# Altium PCB MainboardV2.PcbDoc (part 1 of 2) (continued)
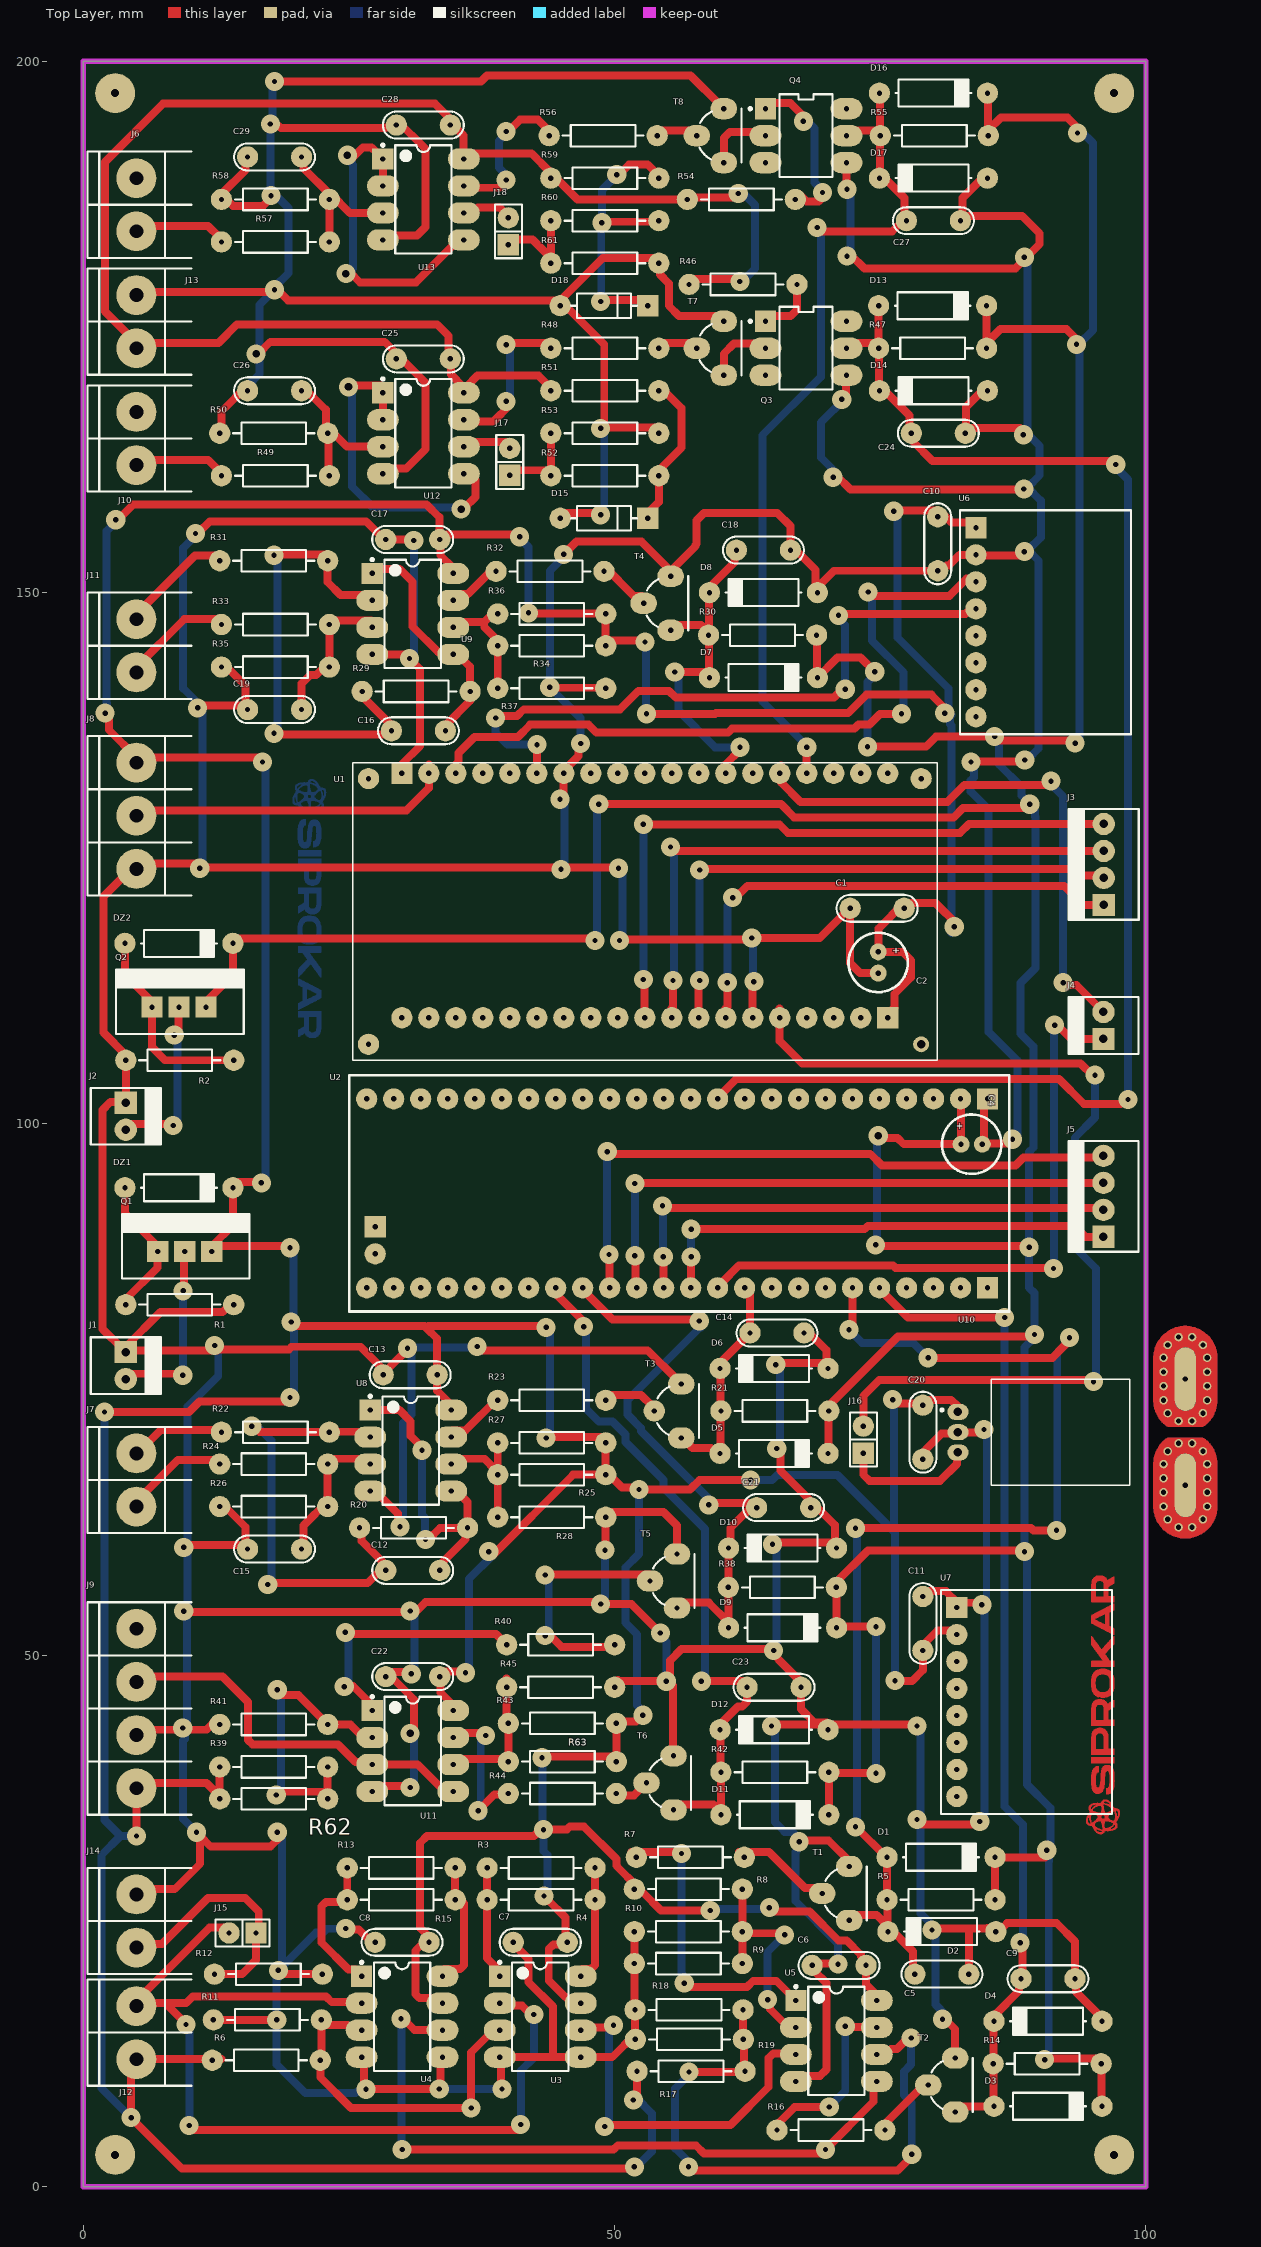
[diagram p0: Top Layer view]
## Footprints (in the part's own frame and the unit in brackets; to place one, negate y for a bottom-side part, rotate by r counter-clockwise, add the part's x,y. Pads: shape width x height; smd on the part's side, far side on the other; paste and mask are expansions set on the pad) (continued)
UPDUINO [mm]
  rect 2x2 hole 0.5 mask+0.051: 1(0,0) 48(17.78,0) 49(12.04,-57.62)
  round 2 hole 0.5 mask+0.051: 2(0,-2.54) 3(0,-5.08) 4(0,-7.62) 5(0,-10.16) 6(0,-12.7) 7(0,-15.24) 8(0,-17.78) 9(0,-20.32) 10(0,-22.86) 11(0,-25.4) 12(0,-27.94) 13(0,-30.48) 14(0,-33.02) 15(0,-35.56) 16(0,-38.1) 17(0,-40.64) 18(0,-43.18) 19(0,-45.72) 20(0,-48.26) 21(0,-50.8) 22(0,-53.34) 23(0,-55.88) 24(0,-58.42) 25(17.78,-58.42) 26(17.78,-55.88) 27(17.78,-53.34) 28(17.78,-50.8) 29(17.78,-48.26) 30(17.78,-45.72) 31(17.78,-43.18) 32(17.78,-40.64) 33(17.78,-38.1) 34(17.78,-35.56) 35(17.78,-33.02) 36(17.78,-30.48) 37(17.78,-27.94) 38(17.78,-25.4) 39(17.78,-22.86) 40(17.78,-20.32) 41(17.78,-17.78) 42(17.78,-15.24) 43(17.78,-12.7) 44(17.78,-10.16) 45(17.78,-7.62) 46(17.78,-5.08) 47(17.78,-2.54) 50(14.58,-57.62)
  round 2 on Mech13 mask+0.051: Un1(3.8,-6.82) Un1(3.8,-53.82) Un1(14,-6.82) Un1(14,-53.82)
  silkscreen extent -2.22,-60.07 20,2.03, body extent -2.29,-60.07 20.07,3.42, height 2.93
XDCR_ACS772LCB-100U-PFF-T [mm]
  oval 1.5x2 hole 0.8: 1(-1.91,-10.7) 2(0,-10.7) 3(1.91,-10.7)
  oval 6x2 hole 0.5 mask+0: 4(5,10.7) 5(-5,10.7)
  round 0.8 hole 0.5: 4_1(3,8.65) 4_2(4.33,8.65) 4_3(5.66,8.65) 4_4(6.99,8.65) 4_5(8.205,9.042) 4_6(8.95,10.067) 4_7(8.95,11.333) 4_8(8.205,12.358) 4_9(6.99,12.75) 4_10(5.66,12.75) 4_11(4.33,12.75) 4_12(3,12.75) 4_13(1.795,12.358) 4_14(1.05,11.333) 4_15(1.05,10.067) 4_16(1.795,9.042) 5_1(-7,8.65) 5_2(-5.67,8.65) 5_3(-4.34,8.65) 5_4(-3.01,8.65) 5_5(-8.205,9.042) 5_6(-8.95,11.333) 5_7(-8.95,10.067) 5_8(-8.205,12.358) 5_9(-7,12.75) 5_10(-5.67,12.75) 5_11(-4.34,12.75) 5_12(-3.01,12.75) 5_13(-1.795,12.358) 5_14(-1.05,11.333) 5_15(-1.05,10.067) 5_16(-1.795,9.042)
  Top Layer region: -5,11.7 -7,11.7 -7.052,11.699 -7.105,11.695 -7.156,11.688 -7.208,11.678 -7.259,11.666 -7.309,11.651 -7.358,11.634 -7.407,11.614 -7.454,11.591 -7.5,11.566 -7.545,11.539 -7.588,11.509 -7.629,11.477 -7.669,11.443 -7.707,11.407 -7.743,11.369 -7.777,11.329 -7.809,11.288 -7.839,11.245 -7.866,11.2 -7.891,11.154 -7.914,11.107 -7.934,11.058 -7.951,11.009 -7.966,10.959 -7.978,10.908 -7.988,10.856 -7.995,10.805 -7.999,10.752 -8,10.7 -7.999,10.648 -7.995,10.595 -7.988,10.544 -7.978,10.492 -7.966,10.441 -7.951,10.391 -7.934,10.342 -7.914,10.293 -7.891,10.246 -7.866,10.2 -7.839,10.155 -7.809,10.112 -7.777,10.071 -7.743,10.031 -7.707,9.993 -7.669,9.957 -7.629,9.923 -7.588,9.891 -7.545,9.861 -7.5,9.834 -7.454,9.809 -7.407,9.786 -7.358,9.766 -7.309,9.749 -7.259,9.734 -7.208,9.722 -7.156,9.712 -7.105,9.705 -7.052,9.701 -7,9.7 -5,9.7 -5,7.7 -7,7.7 -7.157,7.704 -7.314,7.716 -7.469,7.737 -7.624,7.766 -7.776,7.802 -7.927,7.847 -8.075,7.899 -8.22,7.959 -8.362,8.027 -8.5,8.102 -8.634,8.184 -8.763,8.273 -8.888,8.369 -9.007,8.471 -9.121,8.579 -9.229,8.693 -9.331,8.812 -9.427,8.937 -9.516,9.066 -9.598,9.2 -9.673,9.338 -9.741,9.48 -9.801,9.625 -9.853,9.773 -9.898,9.924 -9.934,10.076 -9.963,10.231 -9.984,10.386 -9.996,10.543 -10,10.7 -9.996,10.857 -9.984,11.014 -9.963,11.169 -9.934,11.324 -9.898,11.476 -9.853,11.627 -9.801,11.775 -9.741,11.92 -9.673,12.062 -9.598,12.2 -9.516,12.334 -9.427,12.463 -9.331,12.588 -9.229,12.707 -9.121,12.821 -9.007,12.929 -8.888,13.031 -8.763,13.127 -8.634,13.216 -8.5,13.298 -8.362,13.373 -8.22,13.441 -8.075,13.501 -7.927,13.553 -7.776,13.598 -7.624,13.634 -7.469,13.663 -7.314,13.684 -7.157,13.696 -7,13.7 -5,13.7
  Top Layer region: -2.911,13.7 -2.812,13.697 -2.714,13.69 -2.616,13.68 -2.518,13.667 -2.421,13.65 -2.324,13.631 -2.228,13.608 -2.133,13.581 -2.039,13.552 -1.945,13.519 -1.853,13.483 -1.763,13.445 -1.673,13.403 -1.585,13.358 -1.499,13.31 -1.414,13.259 -1.331,13.206 -1.25,13.15 -1.171,13.091 -1.094,13.029 -1.019,12.965 -0.946,12.898 -0.876,12.829 -0.808,12.758 -0.742,12.684 -0.679,12.608 -0.618,12.53 -0.56,12.45 -0.5,12.36 -0.5,9.04 -0.56,8.95 -0.618,8.87 -0.679,8.792 -0.742,8.716 -0.808,8.642 -0.876,8.571 -0.946,8.502 -1.019,8.435 -1.094,8.371 -1.171,8.309 -1.25,8.25 -1.331,8.194 -1.414,8.141 -1.499,8.09 -1.585,8.042 -1.673,7.997 -1.763,7.955 -1.853,7.917 -1.945,7.881 -2.039,7.848 -2.133,7.819 -2.228,7.792 -2.324,7.769 -2.421,7.75 -2.518,7.733 -2.616,7.72 -2.714,7.71 -2.812,7.703 -2.911,7.7 -3,7.7 -5,7.7 -5,9.7 -3,9.7 -2.948,9.701 -2.895,9.705 -2.844,9.712 -2.792,9.722 -2.741,9.734 -2.691,9.749 -2.642,9.766 -2.593,9.786 -2.546,9.809 -2.5,9.834 -2.455,9.861 -2.412,9.891 -2.371,9.923 -2.331,9.957 -2.293,9.993 -2.257,10.031 -2.223,10.071 -2.191,10.112 -2.161,10.155 -2.134,10.2 -2.109,10.246 -2.086,10.293 -2.066,10.342 -2.049,10.391 -2.034,10.441 -2.022,10.492 -2.012,10.544 -2.005,10.595 -2.001,10.648 -2,10.7 -2.001,10.752 -2.005,10.805 -2.012,10.856 -2.022,10.908 -2.034,10.959 -2.049,11.009 -2.066,11.058 -2.086,11.107 -2.109,11.154 -2.134,11.2 -2.161,11.245 -2.191,11.288 -2.223,11.329 -2.257,11.369 -2.293,11.407 -2.331,11.443 -2.371,11.477 -2.412,11.509 -2.455,11.539 -2.5,11.566 -2.546,11.591 -2.593,11.614 -2.642,11.634 -2.691,11.651 -2.741,11.666 -2.792,11.678 -2.844,11.688 -2.895,11.695 -2.948,11.699 -3,11.7 -5,11.7 -5,13.7 -3,13.7
  Top Layer region: 7.157,13.696 7.314,13.684 7.469,13.663 7.624,13.634 7.776,13.598 7.927,13.553 8.075,13.501 8.22,13.441 8.362,13.373 8.5,13.298 8.634,13.216 8.763,13.127 8.888,13.031 9.007,12.929 9.121,12.821 9.229,12.707 9.331,12.588 9.427,12.463 9.516,12.334 9.598,12.2 9.673,12.062 9.741,11.92 9.801,11.775 9.853,11.627 9.898,11.476 9.934,11.324 9.963,11.169 9.984,11.014 9.996,10.857 10,10.7 9.996,10.543 9.984,10.386 9.963,10.231 9.934,10.076 9.898,9.924 9.853,9.773 9.801,9.625 9.741,9.48 9.673,9.338 9.598,9.2 9.516,9.066 9.427,8.937 9.331,8.812 9.229,8.693 9.121,8.579 9.007,8.471 8.888,8.369 8.763,8.273 8.634,8.184 8.5,8.102 8.362,8.027 8.22,7.959 8.075,7.899 7.927,7.847 7.776,7.802 7.624,7.766 7.469,7.737 7.314,7.716 7.157,7.704 7,7.7 5,7.7 5,9.7 7,9.7 7.052,9.701 7.105,9.705 7.156,9.712 7.208,9.722 7.259,9.734 7.309,9.749 7.358,9.766 7.407,9.786 7.454,9.809 7.5,9.834 7.545,9.861 7.588,9.891 7.629,9.923 7.669,9.957 7.707,9.993 7.743,10.031 7.777,10.071 7.809,10.112 7.839,10.155 7.866,10.2 7.891,10.246 7.914,10.293 7.934,10.342 7.951,10.391 7.966,10.441 7.978,10.492 7.988,10.544 7.995,10.595 7.999,10.648 8,10.7 7.999,10.752 7.995,10.805 7.988,10.856 7.978,10.908 7.966,10.959 7.951,11.009 7.934,11.058 7.914,11.107 7.891,11.154 7.866,11.2 7.839,11.245 7.809,11.288 7.777,11.329 7.743,11.369 7.707,11.407 7.669,11.443 7.629,11.477 7.588,11.509 7.545,11.539 7.5,11.566 7.454,11.591 7.407,11.614 7.358,11.634 7.309,11.651 7.259,11.666 7.208,11.678 7.156,11.688 7.105,11.695 7.052,11.699 7,11.7 5,11.7 5,13.7 7,13.7
  Top Layer region: 5,11.7 3,11.7 2.948,11.699 2.895,11.695 2.844,11.688 2.792,11.678 2.741,11.666 2.691,11.651 2.642,11.634 2.593,11.614 2.546,11.591 2.5,11.566 2.455,11.539 2.412,11.509 2.371,11.477 2.331,11.443 2.293,11.407 2.257,11.369 2.223,11.329 2.191,11.288 2.161,11.245 2.134,11.2 2.109,11.154 2.086,11.107 2.066,11.058 2.049,11.009 2.034,10.959 2.022,10.908 2.012,10.856 2.005,10.805 2.001,10.752 2,10.7 2.001,10.648 2.005,10.595 2.012,10.544 2.022,10.492 2.034,10.441 2.049,10.391 2.066,10.342 2.086,10.293 2.109,10.246 2.134,10.2 2.161,10.155 2.191,10.112 2.223,10.071 2.257,10.031 2.293,9.993 2.331,9.957 2.371,9.923 2.412,9.891 2.455,9.861 2.5,9.834 2.546,9.809 2.593,9.786 2.642,9.766 2.691,9.749 2.741,9.734 2.792,9.722 2.844,9.712 2.895,9.705 2.948,9.701 3,9.7 5,9.7 5,7.7 3,7.7 2.911,7.7 2.812,7.703 2.714,7.71 2.616,7.72 2.518,7.733 2.421,7.75 2.324,7.769 2.228,7.792 2.133,7.819 2.039,7.848 1.945,7.881 1.853,7.917 1.763,7.955 1.673,7.997 1.585,8.042 1.499,8.09 1.414,8.141 1.331,8.194 1.25,8.25 1.171,8.309 1.094,8.371 1.019,8.435 0.946,8.502 0.876,8.571 0.808,8.642 0.742,8.716 0.679,8.792 0.618,8.87 0.56,8.95 0.5,9.04 0.5,12.36 0.56,12.45 0.618,12.53 0.679,12.608 0.742,12.684 0.808,12.758 0.876,12.829 0.946,12.898 1.019,12.965 1.094,13.029 1.171,13.091 1.25,13.15 1.331,13.206 1.414,13.259 1.499,13.31 1.585,13.358 1.673,13.403 1.763,13.445 1.853,13.483 1.945,13.519 2.039,13.552 2.133,13.581 2.228,13.608 2.324,13.631 2.421,13.65 2.518,13.667 2.616,13.68 2.714,13.69 2.812,13.697 2.911,13.7 3,13.7 5,13.7
  Bottom Layer region: -5,11.7 -7,11.7 -7.052,11.699 -7.105,11.695 -7.156,11.688 -7.208,11.678 -7.259,11.666 -7.309,11.651 -7.358,11.634 -7.407,11.614 -7.454,11.591 -7.5,11.566 -7.545,11.539 -7.588,11.509 -7.629,11.477 -7.669,11.443 -7.707,11.407 -7.743,11.369 -7.777,11.329 -7.809,11.288 -7.839,11.245 -7.866,11.2 -7.891,11.154 -7.914,11.107 -7.934,11.058 -7.951,11.009 -7.966,10.959 -7.978,10.908 -7.988,10.856 -7.995,10.805 -7.999,10.752 -8,10.7 -7.999,10.648 -7.995,10.595 -7.988,10.544 -7.978,10.492 -7.966,10.441 -7.951,10.391 -7.934,10.342 -7.914,10.293 -7.891,10.246 -7.866,10.2 -7.839,10.155 -7.809,10.112 -7.777,10.071 -7.743,10.031 -7.707,9.993 -7.669,9.957 -7.629,9.923 -7.588,9.891 -7.545,9.861 -7.5,9.834 -7.454,9.809 -7.407,9.786 -7.358,9.766 -7.309,9.749 -7.259,9.734 -7.208,9.722 -7.156,9.712 -7.105,9.705 -7.052,9.701 -7,9.7 -5,9.7 -5,7.7 -7,7.7 -7.157,7.704 -7.314,7.716 -7.469,7.737 -7.624,7.766 -7.776,7.802 -7.927,7.847 -8.075,7.899 -8.22,7.959 -8.362,8.027 -8.5,8.102 -8.634,8.184 -8.763,8.273 -8.888,8.369 -9.007,8.471 -9.121,8.579 -9.229,8.693 -9.331,8.812 -9.427,8.937 -9.516,9.066 -9.598,9.2 -9.673,9.338 -9.741,9.48 -9.801,9.625 -9.853,9.773 -9.898,9.924 -9.934,10.076 -9.963,10.231 -9.984,10.386 -9.996,10.543 -10,10.7 -9.996,10.857 -9.984,11.014 -9.963,11.169 -9.934,11.324 -9.898,11.476 -9.853,11.627 -9.801,11.775 -9.741,11.92 -9.673,12.062 -9.598,12.2 -9.516,12.334 -9.427,12.463 -9.331,12.588 -9.229,12.707 -9.121,12.821 -9.007,12.929 -8.888,13.031 -8.763,13.127 -8.634,13.216 -8.5,13.298 -8.362,13.373 -8.22,13.441 -8.075,13.501 -7.927,13.553 -7.776,13.598 -7.624,13.634 -7.469,13.663 -7.314,13.684 -7.157,13.696 -7,13.7 -5,13.7
  Bottom Layer region: -2.911,13.7 -2.812,13.697 -2.714,13.69 -2.616,13.68 -2.518,13.667 -2.421,13.65 -2.324,13.631 -2.228,13.608 -2.133,13.581 -2.039,13.552 -1.945,13.519 -1.853,13.483 -1.763,13.445 -1.673,13.403 -1.585,13.358 -1.499,13.31 -1.414,13.259 -1.331,13.206 -1.25,13.15 -1.171,13.091 -1.094,13.029 -1.019,12.965 -0.946,12.898 -0.876,12.829 -0.808,12.758 -0.742,12.684 -0.679,12.608 -0.618,12.53 -0.56,12.45 -0.5,12.36 -0.5,9.04 -0.56,8.95 -0.618,8.87 -0.679,8.792 -0.742,8.716 -0.808,8.642 -0.876,8.571 -0.946,8.502 -1.019,8.435 -1.094,8.371 -1.171,8.309 -1.25,8.25 -1.331,8.194 -1.414,8.141 -1.499,8.09 -1.585,8.042 -1.673,7.997 -1.763,7.955 -1.853,7.917 -1.945,7.881 -2.039,7.848 -2.133,7.819 -2.228,7.792 -2.324,7.769 -2.421,7.75 -2.518,7.733 -2.616,7.72 -2.714,7.71 -2.812,7.703 -2.911,7.7 -3,7.7 -5,7.7 -5,9.7 -3,9.7 -2.948,9.701 -2.895,9.705 -2.844,9.712 -2.792,9.722 -2.741,9.734 -2.691,9.749 -2.642,9.766 -2.593,9.786 -2.546,9.809 -2.5,9.834 -2.455,9.861 -2.412,9.891 -2.371,9.923 -2.331,9.957 -2.293,9.993 -2.257,10.031 -2.223,10.071 -2.191,10.112 -2.161,10.155 -2.134,10.2 -2.109,10.246 -2.086,10.293 -2.066,10.342 -2.049,10.391 -2.034,10.441 -2.022,10.492 -2.012,10.544 -2.005,10.595 -2.001,10.648 -2,10.7 -2.001,10.752 -2.005,10.805 -2.012,10.856 -2.022,10.908 -2.034,10.959 -2.049,11.009 -2.066,11.058 -2.086,11.107 -2.109,11.154 -2.134,11.2 -2.161,11.245 -2.191,11.288 -2.223,11.329 -2.257,11.369 -2.293,11.407 -2.331,11.443 -2.371,11.477 -2.412,11.509 -2.455,11.539 -2.5,11.566 -2.546,11.591 -2.593,11.614 -2.642,11.634 -2.691,11.651 -2.741,11.666 -2.792,11.678 -2.844,11.688 -2.895,11.695 -2.948,11.699 -3,11.7 -5,11.7 -5,13.7 -3,13.7
  Bottom Layer region: 7.157,13.696 7.314,13.684 7.469,13.663 7.624,13.634 7.776,13.598 7.927,13.553 8.075,13.501 8.22,13.441 8.362,13.373 8.5,13.298 8.634,13.216 8.763,13.127 8.888,13.031 9.007,12.929 9.121,12.821 9.229,12.707 9.331,12.588 9.427,12.463 9.516,12.334 9.598,12.2 9.673,12.062 9.741,11.92 9.801,11.775 9.853,11.627 9.898,11.476 9.934,11.324 9.963,11.169 9.984,11.014 9.996,10.857 10,10.7 9.996,10.543 9.984,10.386 9.963,10.231 9.934,10.076 9.898,9.924 9.853,9.773 9.801,9.625 9.741,9.48 9.673,9.338 9.598,9.2 9.516,9.066 9.427,8.937 9.331,8.812 9.229,8.693 9.121,8.579 9.007,8.471 8.888,8.369 8.763,8.273 8.634,8.184 8.5,8.102 8.362,8.027 8.22,7.959 8.075,7.899 7.927,7.847 7.776,7.802 7.624,7.766 7.469,7.737 7.314,7.716 7.157,7.704 7,7.7 5,7.7 5,9.7 7,9.7 7.052,9.701 7.105,9.705 7.156,9.712 7.208,9.722 7.259,9.734 7.309,9.749 7.358,9.766 7.407,9.786 7.454,9.809 7.5,9.834 7.545,9.861 7.588,9.891 7.629,9.923 7.669,9.957 7.707,9.993 7.743,10.031 7.777,10.071 7.809,10.112 7.839,10.155 7.866,10.2 7.891,10.246 7.914,10.293 7.934,10.342 7.951,10.391 7.966,10.441 7.978,10.492 7.988,10.544 7.995,10.595 7.999,10.648 8,10.7 7.999,10.752 7.995,10.805 7.988,10.856 7.978,10.908 7.966,10.959 7.951,11.009 7.934,11.058 7.914,11.107 7.891,11.154 7.866,11.2 7.839,11.245 7.809,11.288 7.777,11.329 7.743,11.369 7.707,11.407 7.669,11.443 7.629,11.477 7.588,11.509 7.545,11.539 7.5,11.566 7.454,11.591 7.407,11.614 7.358,11.634 7.309,11.651 7.259,11.666 7.208,11.678 7.156,11.688 7.105,11.695 7.052,11.699 7,11.7 5,11.7 5,13.7 7,13.7
  Bottom Layer region: 5,11.7 3,11.7 2.948,11.699 2.895,11.695 2.844,11.688 2.792,11.678 2.741,11.666 2.691,11.651 2.642,11.634 2.593,11.614 2.546,11.591 2.5,11.566 2.455,11.539 2.412,11.509 2.371,11.477 2.331,11.443 2.293,11.407 2.257,11.369 2.223,11.329 2.191,11.288 2.161,11.245 2.134,11.2 2.109,11.154 2.086,11.107 2.066,11.058 2.049,11.009 2.034,10.959 2.022,10.908 2.012,10.856 2.005,10.805 2.001,10.752 2,10.7 2.001,10.648 2.005,10.595 2.012,10.544 2.022,10.492 2.034,10.441 2.049,10.391 2.066,10.342 2.086,10.293 2.109,10.246 2.134,10.2 2.161,10.155 2.191,10.112 2.223,10.071 2.257,10.031 2.293,9.993 2.331,9.957 2.371,9.923 2.412,9.891 2.455,9.861 2.5,9.834 2.546,9.809 2.593,9.786 2.642,9.766 2.691,9.749 2.741,9.734 2.792,9.722 2.844,9.712 2.895,9.705 2.948,9.701 3,9.7 5,9.7 5,7.7 3,7.7 2.911,7.7 2.812,7.703 2.714,7.71 2.616,7.72 2.518,7.733 2.421,7.75 2.324,7.769 2.228,7.792 2.133,7.819 2.039,7.848 1.945,7.881 1.853,7.917 1.763,7.955 1.673,7.997 1.585,8.042 1.499,8.09 1.414,8.141 1.331,8.194 1.25,8.25 1.171,8.309 1.094,8.371 1.019,8.435 0.946,8.502 0.876,8.571 0.808,8.642 0.742,8.716 0.679,8.792 0.618,8.87 0.56,8.95 0.5,9.04 0.5,12.36 0.56,12.45 0.618,12.53 0.679,12.608 0.742,12.684 0.808,12.758 0.876,12.829 0.946,12.898 1.019,12.965 1.094,13.029 1.171,13.091 1.25,13.15 1.331,13.206 1.414,13.259 1.499,13.31 1.585,13.358 1.673,13.403 1.763,13.445 1.853,13.483 1.945,13.519 2.039,13.552 2.133,13.581 2.228,13.608 2.324,13.631 2.421,13.65 2.518,13.667 2.616,13.68 2.714,13.69 2.812,13.697 2.911,13.7 3,13.7 5,13.7
  silkscreen extent -5,-12.32 5,5.45

## Part data
C1: library part CMP-001-00091-1, Component Type=Standard, Design Item ID=CAP, Pins=2, Source=Schematics.SchLib
C2 C4: library part CMP-001-00092-1, Component Type=Standard, Design Item ID=CAPPOL, Pins=2, Source=Schematics.SchLib
C5 C6 C7 C8 C9 C10 C11 C12 C13 C15 C16 C17 C19 C20 C21 C22 C23 C25 C26 C28 C29: library part CAP
D15 D18: library part CMP-004-00078-1, "Zener Diode, 6.2V V(Z), 4.84%, 0.5W, Silicon, DO-204AA"
J15: library part CMP-043-000055-1, Component Type=Standard, Design Item ID=JUMPER, Pin Count=2, Source=Schematics.SchLib
Q3 Q4: library part CMP-00026-00001-1, "VISHAY 4N25 Transistor Output Optocoupler, 1 Channel, DIP, 6 Pins, 60 mA, 5 kV, 20 %"
R3 R4 R5 R6 R7 R8 R9 R10 R11 R12 R13 R14 R15 R16 R17 R18 R19 R20 R21 R22 R23 R24 R25 R26 R27 R28 R29 R30 R31 R32 R33 R34 R35 R36 R37 R38 R39 R40 R41 R42 R43 R44 R45 R46 R47 R48 R49 R50 R51 R52 R53 R54 R55 R56 R57 R58 R59 R60 R61 R62 R63: library part CMP-009-00195-1, Component Type=Standard, Design Item ID=RES, Pins=2, Source=Schematics.SchLib
T1 T2 T3 T4 T5 T6 T7 T8: library part CMP-012-00019-1, Component Type=Standard, Design Item ID="TRANSISTOR NPN", Pins=3, Source=Schematics.SchLib
U1: library part CMP-027-000000-1, "NodeMCU is an open source loT platform. ESP32 is a series of low cost, low powersystem-on-chip (SoC) microcontrollers with integrated Wi-Fi & dual-mode Bluetooth.", Package=Package, Check_prices=https://www.snapeda.com/parts/ESP32%20NODEMCU/Espressif+Systems/view-part/?ref=eda, Component Type=Standard, Design Item ID=ESP32_NODEMCU, MF="Espressif Systems", MP="ESP32 NODEMCU", Pin Count=38, SnapEDA_Link=https://www.snapeda.com/parts/ESP32%20NODEMCU/Espressif+Systems/view-part/?ref=snap, Source=ESP32_NODEMCU.SchLib
U2: "Lattice UltraPlus ICE40UP5K FPGA with 5.3K LUTs, 1Mb SPRAM, 120Kb DPRAM, 8 Multipliers"
U3 U4: library part CMP-014-00006-1, "Instrumentation Amplifier, 1 Func, 250uV Offset-Max, 0.12MHz Band Width, PDIP8", Average Bias Current-Max (IIB)=-25nA, Case/Package=DIP, Input Offset Current-Max (IIO)=2nA, Input Offset Voltage-Max=250uV, Max Operating Temperature=85°C, Max Supply Current=85uA, Min Operating Temperature=-40°C, Neg Supply Voltage Limit-Max=-18V, Nominal Supply Voltage=15V, Package Body Material=Plastic, Package Equivalence Code=DIP8,.3, Package Shape=Rectangular, Package Style=IN-LINEMeter, Power Supplies=2.2/36/+-18V, Supply Voltage Limit-Max=18V, Temperature Grade=INDUSTRIAL, Voltage Gain-Max=10000, Voltage Gain-Min=5, Voltage Gain-Nom=100, Amplifier Type="INSTRUMENTATION AMPLIFIER", Bandwidth (3dB)-Nom=120kHz, Channels=1, Common Mode Rejection Ratio-Min=83dB, Height - Seated (Max)=5.08mm, JESD-30 Code=R-PDIP-T8, JESD-609 Code=e4, Length=9.81mm, Non-linearity-Max=0.012%, Pins=8, Qualification Status="Not Qualified", Reach SVHC Compliant=Yes, RoHS Compliant=Yes, Slew Rate=0.08V/µs, Surface Mount=No, Terminal Finish=Nickel, Terminal Form="Through Hole", Terminal Pitch=2.54mm, Terminal Position=DUAL, Width=7.62mm
U5 U8 U9 U11 U12 U13: library part CMP-014-00023-2, "Dual Operational Amplifier, 3 to 32 V, 0 to 70 degC, 8-Pin PDIP (P), Pb-Free (RoHS), Tube", Case/Package=DIP, Manufacturer="Texas Instruments (TI)", Max Dual Supply Voltage=16V, Max Operating Temperature=70°C, Min Dual Supply Voltage=1.5V, Min Operating Temperature=0°C, Nominal Supply Current=1.2mA, Nominal Supply Voltage=5V, Nominal Voltage Gain=100dB, Output Current=30mA, Package Description="8-Pin Double In-line Package, Body 9.59 x 6.35 mm, Pitch 2.54 mm", Package Quantity=50, Package Reference=P0008A, Package Version="4040082/E, 04/2010", Channels=2, Common Mode Rejection Ratio=65dB, Datasheet URL=http://www.ti.com/lit/ds/symlink/lm358a.pdf, Datasheet Version="SLOS068T, 04/2015", Manufacturer URL=http://www.ti.com/, Max Supply Voltage=16V, Min Supply Voltage=1.5V, Mounting Technology=TH, Nominal Gain Bandwith Product=700KHz, Package URL=http://www.ti.com/lit/ml/mpdi001b/mpdi001b.pdf, Packaging=Rail/Tube, Pins=8, RoHS Compliant=True, Slew Rate=0.3V/us, Unity Gain Bandwidth Product=700KHz
U6: "3 Axis Accelerometer Gyroscope Module 6 DOF 6-Axis Acceleration Sensor Gyroscope Sensor Module 16 Bit AD Converter Data Output IIC for Arduino"
U7: "3-axis accelerometer with high resolution (13-bit) measurement at up to ±16 g. Digital output data is formatted as 16-bit twos complement and is accessible through SPI or I2C digital interface."
U10: library part CMP-029-000000-1, "Current Sensor 100A 1 Channel Hall Effect Unidirectional 5-CB Formed Leads, PFF", Package="5-CB-5 Allegro MicroSystems LLC", Arrow_Electronics-Purchase-URL=https://snapeda.com/shop?store=Arrow+Electronics&id=2783431, Availability=Bad, Check_prices=https://www.snapeda.com/parts/ACS772LCB-100U-PFF-T/Allegro%20MicroSystems%20LLC/view-part/2783431/?ref=eda, Component Type=Standard, Design Item ID=ACS772LCB-100U-PFF-T, MF="Allegro MicroSystems LLC", MP=ACS772LCB-100U-PFF-T, Pin Count=37, Price=None, SnapEDA_Link=https://www.snapeda.com/parts/ACS772LCB-100U-PFF-T/Allegro%20MicroSystems%20LLC/view-part/2783431/?ref=snap, Source=ACS772LCB-100U-PFF-T.SchLib

## Free pads (board coordinates)
  round 3.75 hole 0.762: 2(3,3) 2(3,197) 2(97,3) 2(97,197)

## Via types
v1: diameter 1.8, hole 0.5, Top Layer to Bottom Layer, 212 vias
v2: diameter 1.8, hole 0.711, Top Layer to Bottom Layer, 7 vias

## Nets (pads, with @x,y where several pads share a name; then routed paths per layer and width w, separated by ;. In a path a pad name is that pad's centre, name@x,y a point inside that pad or via, vN(x,y) a via of type N, cw(c..) or ccw(c..) an arc to the next point about the centre after c; other vN are vias at no path point)
3.3V_EXT: J2.2 Q2.2 | length 16.4
  Top Layer w0.75: J2.2@4,99.96 4.02,99.98 8.78,99.98 v1@8.8,100 ; v1@8.9,108.5 8.95,108.55 8.95,111.45 Q2.2@9,111.5
  Bottom Layer w0.75: v1@8.8,100 8.85,100.05 8.85,108.45 v1@8.9,108.5
  other v1: 8.458,99.86 8.558,108.36
5V_EXT: J1.2 Q1.2 | length 17.7
  Top Layer w0.75: J1.2@4,76.5 v1@9.7,76.5 ; v1(9.4,84.3) 9.47,84.37 9.47,88.33 Q1.2@9.57,88.43
  Bottom Layer w0.75: v1(9.4,84.3) 9.379,84.279 9.379,76.821 v1@9.6,76.6
  other v1: 9.358,76.36
+3.3V: C4.1 D1.2 D3.2 D5.2 D7.2 D9.2 D11.2 D13.2 D16.2 DZ2.2 Q2.3 R5.2 R14.2 R21.2 R30.2 R38.2 R42.2 R47.2 R55.2 U2.2 | length 480.7
  Top Layer w0.75: Q2.3@11.54,111.5 14.08,114.04 14.08,117.5 14.13,117.45 48.45,117.45 v1@48.5,117.4 ; v1(48.5,130.1) 65.649,130.1 66.899,128.85 81.901,128.85 82.776,129.725 v1@89.4,129.725 ; R30.2@69.04,146.46 69.04,142.54 D7.2@69.33,142.25 ; D7.2@69.08,142 70.98,143.9 73.135,143.9 v1(74.475,142.56) ; D5.2@70.08,69.5 70.12,69.54 70.12,73.46 76.66,80 89.3,80 v1(89.5,80.2) ; D11.2@70.16,35.5 70.16,39.5 70.71,38.95 74.55,38.95 v1(74.6,38.9) ; v1(73.8,135.5) 79.299,135.5 80.244,136.445 85.755,136.445 86.11,136.09 93.561,136.09 v1@93.671,135.98 ; v1(74.558,88.625) 74.67,88.513 88.888,88.513 v1(89,88.4) ; v1(74.6,52.7) 71.257,52.7 70.88,53.077 70.88,53.1 70.87,53.11 70.87,56.89 70.86,56.9 73.83,59.87 88.465,59.87 v1(88.575,59.76) ; v2(74.808,98.894) 75.009,98.693 76.615,98.693 77.208,98.1 C4.1@82.6,98.1 82.575,98.125 82.575,102.337 U2.2@82.55,102.362 ; D13.2@85,177.5 85,173.5 86.3,174.8 92.5,174.8 v1@93.8,173.5 ; D16.2@85.08,197.5 85.12,197.46 85.12,193.54 85.16,193.5 86.36,194.7 92.6,194.7 v1@93.9,193.4 ; R5.2@85.794,27.5 85.794,31.5 86.294,31 90.497,31 90.797,31.3 v1@91,31.3 ; v1@90.8,12.1 90.814,12.086 95.764,12.086 95.818,12.032 95.818,8.112 D3.2@95.858,8.072
  Bottom Layer w0.75: v1@48.5,117.4 48.329,117.571 48.329,129.929 v1(48.5,130.1) ; v1(73.8,135.5) 73.8,141.601 74.475,142.276 v1(74.475,142.56) ; v1(74.558,88.625) 74.683,88.75 74.683,98.769 v2(74.808,98.894) ; v1(74.6,38.9) v1(74.6,52.7) ; v1@86.1,136.1 86.15,136.05 86.15,133.85 88.297,131.703 88.297,130.931 89.4,129.828 89.4,129.625 89.544,129.481 89.544,128.951 89.6,128.895 89.6,114.671 88.2,113.271 88.2,108.5 89.4,107.3 89.4,97.774 89,97.374 v1(89,88.4) 89,84.599 89.5,84.099 89.5,79.916 88.575,78.991 v1(88.575,59.76) ; v1@88.8,59.877 88.8,59.4 88.8,37.852 91,35.652 91,31.3 90.856,31.156 90.856,30.654 90.85,30.647 90.85,12.15 v1@90.8,12.1 ; v1@93.671,135.98 93.736,136.044 93.736,173.436 95,174.7 95,192.3 v1@93.9,193.4
  other v1: 90.458,11.96 90.658,31.66 48.158,117.26 89.058,130.085 93.329,135.84 85.758,136.46 93.458,173.36 93.558,193.26
+5V: C1.1 C2.1 C6.1 C7.1 C8.1 C10.1 C11.1 C13.1 C17.1 C20.1 C22.1 DZ1.2 J8.1 J9.4 J12.2 Q1.3 R6.2 R8.1 R17.1 R25.1 R27.1 R34.1 R36.1 R39.1 R43.1 R62.1 R63.1 U1.J5_1 U3.7 U4.7 U5.8 U6.1 U7.2 U8.8 U9.8 U10.1 U11.8 | length 745.7
  Top Layer w0.75: v1(2,72.9) 9.949,72.9 10.949,73.9 v1@19.8,73.9 ; v1@2.4,138.8 2.403,138.797 2.403,137.097 5,134.5 16.728,134.5 17.028,134.2 v1@17.2,134.2 ; v1@3.4,157 4.7,158.3 32.3,158.3 33.5,157.1 33.5,155.54 C17.1@33.59,155.45 ; v1(5,33) 5,37.1 5.9,38 11.586,38 12.586,37 12.84,37 R39.1@12.84,39.5 R39.1@12.84,40 ; R6.2@13,12 12.14,12 J12.2@5,12 4.5,11.5 v1(4.5,6.5) 9.275,1.725 v1@51.913,1.725 ; v1@17.1,94.6 17.05,94.55 14.13,94.55 14.08,94.5 DZ1.2@14.08,94 14.08,90.5 12.08,88.5 v1@19.8,88.5 ; v1@19.9,81 32.1,81 32.3,80.8 ; U4.7@33.81,17.77 31.616,17.77 31.242,18.144 31.242,22.202 32.54,23.5 32.54,23.502 31.7,24.342 31.7,32.361 32.339,33 42.416,33 43.016,33.6 v1(43.3,33.6) 45.503,33.6 45.803,33.9 47.1,33.9 50.165,30.835 50.165,30.223 50.2,30.188 50.2,30.156 52.106,28.25 52.106,28.088 52.433,27.761 52.595,27.761 54.356,26 v1(59,26) ; U8.8@34.62,73.58 33.3,74.9 C13.1@33.3,76.4 33.3,79.8 32.3,80.8 ; U11.8@34.81,45.31 33.594,46.526 33.594,48.446 33.54,48.5 v1@36.3,48.5 ; U9.8@34.81,152.31 33.594,153.526 33.594,155.446 C17.1@33.59,155.45 ; v1@38.5,59.4 46.1,67 49.017,67 49.338,67.322 49.338,67.16 50.697,65.801 52.099,65.801 v1(52.3,65.6) 57.1,65.6 58,66.5 v1(62.8,66.5) ; v1@41.4,155.4 41.35,155.45 C17.1@33.59,155.45 ; v1(41.9,148.1) 41.95,148.05 48.71,148.05 48.76,148.1 49.16,147.7 49.16,145.5 v1@53.2,145.5 ; v1@43.5,40.5 R63.1@50.16,40.5 ; v1@43.7,27 45.372,25.328 45.372,23.168 C7.1@45.54,23 45.335,22.795 44.239,22.795 43.8,22.356 43.8,19.401 45.368,17.833 45.409,17.833 45.972,17.27 U3.7@46.81,17.27 ; v1@43.9,70.6 43.95,70.55 49.11,70.55 49.16,70.5 R27.1@49.16,70 R25.1@49.16,67.5 ; v1@43.9,81 32.5,81 32.3,80.8 ; 50.16,41 R43.1@50.16,43.6 50.16,44.05 50.449,43.761 52.027,43.761 52.766,44.5 v1@53,44.5 ; v1@52.1,8.3 52.105,8.305 52.105,11.362 R17.1@52.11,11.367 ; v1(53,138.6) 59.451,138.6 59.526,138.675 62.074,138.675 71.975,138.675 73.7,140.4 79.8,140.4 v1@81.4,138.8 ; v1@64.9,25.9 68.328,25.9 71.043,23.185 71.815,23.185 73.163,21.837 73.163,21.663 73.66,21.166 C6.1@73.66,20.828 73.66,19.042 U5.8@74.676,18.026 ; C2.1@74.8,116.2 77.1,116.2 77.9,115.4 77.9,113.8 76.317,112.217 76.317,110.975 U1.J5_1@75.692,110.35 ; C2.1@74.8,116.7 74.843,116.743 74.843,118.403 77.24,120.8 80.2,120.8 v1@82.3,118.7 ; v1(76.375,47.625) 76.4,47.6 78,47.6 79,48.6 C11.1@79,50.46 ; v1@76.5,73.7 78.84,73.7 C20.1@79,73.54 ; v1@76.6,157.8 76.68,157.72 80.32,157.72 80.4,157.64 80.654,157.64 81.694,156.6 U6.1@84,156.6 ; C11.1@79,50.96 80.397,52.358 82.098,52.358 U7.2@82.2,52.46 ; C20.1@79,74.04 81.67,74.04 U10.1@82.3,73.41
  Bottom Layer w0.75: v1(2,72.9) 2,34.5 3.5,33 ; v1@2.4,138.8 2.234,138.966 2.234,139.57 2.2,139.604 2.2,155.8 v1@3.4,157 ; v1(4.5,6.5) 1.7,9.3 1.7,31.2 3.5,33 ; v1(5,33) 3.5,33 ; v1@17.1,94.6 17.15,94.65 17.15,134.15 v1@17.2,134.2 ; v1@19.8,73.9 19.85,73.95 19.85,80.95 19.9,81 19.8,81.1 v1@19.8,88.5 ; v1@36.3,48.5 36.3,57.2 v1@38.5,59.4 ; v1(41.058,155.26) 41.058,155.138 41.9,154.296 v1(41.9,148.1) ; v1@43.3,40.1 43.229,40.029 43.229,33.671 v1(43.3,33.6) 43.325,33.575 43.325,31.575 43.7,31.2 v1@43.7,27.5 ; v1@43.9,70.6 v1@43.9,81 ; v1@52.1,8.3 53.5,6.9 53.5,3.312 v1@52.2,2.012 ; v1(52.3,65.6) 52.3,59.549 51,58.249 51,53.082 52.1,51.982 52.1,45.304 52.904,44.5 v1@53,44.5 ; v1(53,138.6) 52.929,138.671 52.929,145.229 v1@53,145.3 ; v1(59,26) 59.125,26.125 64.675,26.125 v1@64.8,26 ; v1(62.8,66.5) 64.828,66.5 65.3,66.972 70.963,66.972 76.289,61.645 76.3,61.645 ; v1@76.4,47.6 v1(76.375,47.625) 76.375,61.57 76.3,61.645 ; v1@76.486,73.692 76.3,73.506 76.3,61.645 ; v1@76.6,157.8 76.6,145.8 81.4,141 81.4,138.972 81.4,138.8 v1@81.7,138.5 ; v1@81.695,138.495 81.544,138.344 81.544,137.642 81.7,137.486 v1@81.7,117.951
  other v1: 51.858,1.872 51.758,8.16 64.558,26.26 43.358,27.36 43.158,40.36 52.658,44.36 35.958,48.36 38.158,59.76 43.558,70.46 76.158,74.06 19.458,74.26 43.558,80.86 19.558,81.36 19.458,88.36 16.758,94.46 81.958,118.56 16.858,134.06 2.058,138.66 81.058,138.66 52.858,145.36 3.058,156.86 76.258,157.66
ACC1_I2C_SCL: U1.J4_6 U6.4 | length 62.4
  Top Layer w0.75: v1(38.8,138.2) 38.994,138.394 40.825,138.394 41.456,139.025 50.502,139.025 52.227,140.75 55.127,140.75 55.752,140.125 70.631,140.125 71.411,140.905 v1(71.695,140.905) ; U1.J4_6@42.672,133.85 42.686,133.864 v1(42.686,135.695) ; v1@71.4,148 83.02,148 U6.4@84,148.98
  Bottom Layer w0.75: v1(38.8,138.2) 38.8,136.8 39.905,135.695 v1(42.686,135.695) ; v1(71.058,147.86) 71.058,147.576 71.695,146.939 v1(71.695,140.905)
ACC1_I2C_SDA: U1.J4_3 U6.3 | length 68
  Top Layer w0.75: U1.J4_3@35.052,133.85 35.313,134.111 35.313,134.913 36.825,136.425 40.906,136.425 42.056,137.575 47.535,137.575 48.285,136.825 60.665,136.825 61.065,137.225 72.576,137.225 72.941,137.591 73.991,137.591 74.975,138.575 76.975,138.575 v1(77,138.6) ; v1@74.2,149.7 81.5,149.7 83.116,151.316 83.796,151.316 U6.3@84,151.52
  Bottom Layer w0.75: v1@74.2,149.7 74.2,145.5 77.2,142.5 77.2,138.8 v1(77,138.6)
  other v1: 73.858,150.06
ACC2_I2C_SCL: U2.14 U7.8
ACC2_I2C_SDA: U2.13 U7.7
CAN_1_H: J7.2 R24.1 | length 9.5
  Top Layer w0.75: J7.2@5,64.5 8.9,68.4 12.74,68.4 R24.1@12.84,68.5
CAN_1_L: J7.1 R22.1 | length 8.8
  Top Layer w0.75: J7.1@5,69.5 5.599,69.5 7.299,71.2 12.7,71.2 R22.1@13,71.5
CAN_2_H: J11.2 R33.1 | length 9.9
  Top Layer w0.75: J11.2@5,143 9.5,147.5 R33.1@13,147.5
CAN_2_L: J11.1 R31.1 | length 10.1
  Top Layer w0.75: J11.1@5,148 10.5,153.5 R31.1@12.84,153.5
CAN_DATA.CAN_DIG_1: C14.1 D5.1 D6.2 R21.1 T3.2 U2.39 | length 21.3
  Top Layer w0.75: T3.2@56.27,70.46 56.374,70.46 57.334,69.5 59.082,69.5 59.343,69.239 59.659,69.239 59.96,69.54 59.96,73.46 60,73.5 59.96,73.54 59.96,77.46 59.92,77.5 62.556,80.136 62.556,80.657 62.736,80.837 62.736,84.288 62.23,84.794 U2.39@62.23,85.082
CAN_DATA.CAN_DIG_2: C18.1 D7.1 D8.2 R30.1 T4.2 U1.J4_13 | length 32.6
  Top Layer w0.75: T4.2@55.27,146.96 58.126,146.96 58.586,146.5 R30.1@58.84,146.5 ; v1@56,142.175 56.05,142.225 v1@56.05,142.55 ; v1@56,142.6 v1@56.05,142.55 ; D7.1@58.92,142.5 D7.1@58.88,142.54 ; U1.J4_13@60.452,133.85 61.8,135.198 v1(61.8,135.45) ; C18.1@61.28,154.32 61.28,152.86 58.92,150.5 58.88,150.46 58.88,146.54 R30.1@58.84,146.5 ; v1@56.05,142.55 58.87,142.55 D7.1@58.88,142.54 ; R30.1@58.84,146.5 58.88,146.46 D7.1@58.88,142.54
  Bottom Layer w0.75: v1@56,142.175 56,138.9 59.45,135.45 v1(61.8,135.45)
  other v1: 55.658,142.535
CAN_DIFF_Interface_CAN_1: C12.2 R20.1 U8.1 U8.5 | length 28.8
  Top Layer w0.75: U8.1@27.5,73.08 29.746,73.08 30.808,72.018 30.808,70.652 31.875,69.584 v1(31.875,69.3) ; v1(32.2,60.9) 32.484,60.9 33.584,62 35.783,62 35.98,62.198 35.98,62.32 35.98,60.94 C12.2@33.54,58.5 ; U8.5@34.62,65.96 36.16,64.42 R20.1@36.16,62.5
  Bottom Layer w0.75: v1(31.875,69.3) 31.875,63.2 32.15,62.925 32.15,60.95 v1(32.2,60.9)
CAN_DIFF_Interface_CAN_2: C16.2 R29.1 U9.1 U9.5 | length 21.9
  Top Layer w0.75: U9.1@27.19,152.31 27.271,152.229 29.771,152.229 31,151 31,146.8 33.371,144.429 34.571,144.429 U9.5@34.81,144.19 ; C16.2@34.08,137.5 36.4,139.82 36.4,143.033 U9.5@35.026,144.406
CPU_OUT.ESP32.CAN: J3.4 U1.J5_10 | length 61.2
  Top Layer w0.75: v1(52.7,113.6) 52.816,113.484 52.816,110.866 U1.J5_10@52.832,110.85 ; v1(52.7,128.2) 65.499,128.2 66.299,127.4 82.501,127.4 83.333,128.232 95.676,128.232 J3.4@95.76,128.316
  Bottom Layer w0.75: v1(52.7,113.6) v1(52.7,128.2)
CPU_OUT.ESP32.CUR: J3.3 U1.J5_9 | length 55.4
  Top Layer w0.75: U1.J5_9@55.372,110.857 55.372,110.85 55.5,110.978 v1(55.5,113.5) ; v1@55.6,125.7 55.608,125.692 J3.3@96.021,125.692
  Bottom Layer w0.75: v1(55.5,113.5) 55.6,113.6 v1@55.6,125.7
  other v1: 55.258,126.06